# Altium PCB 400366.PcbDoc (continued)
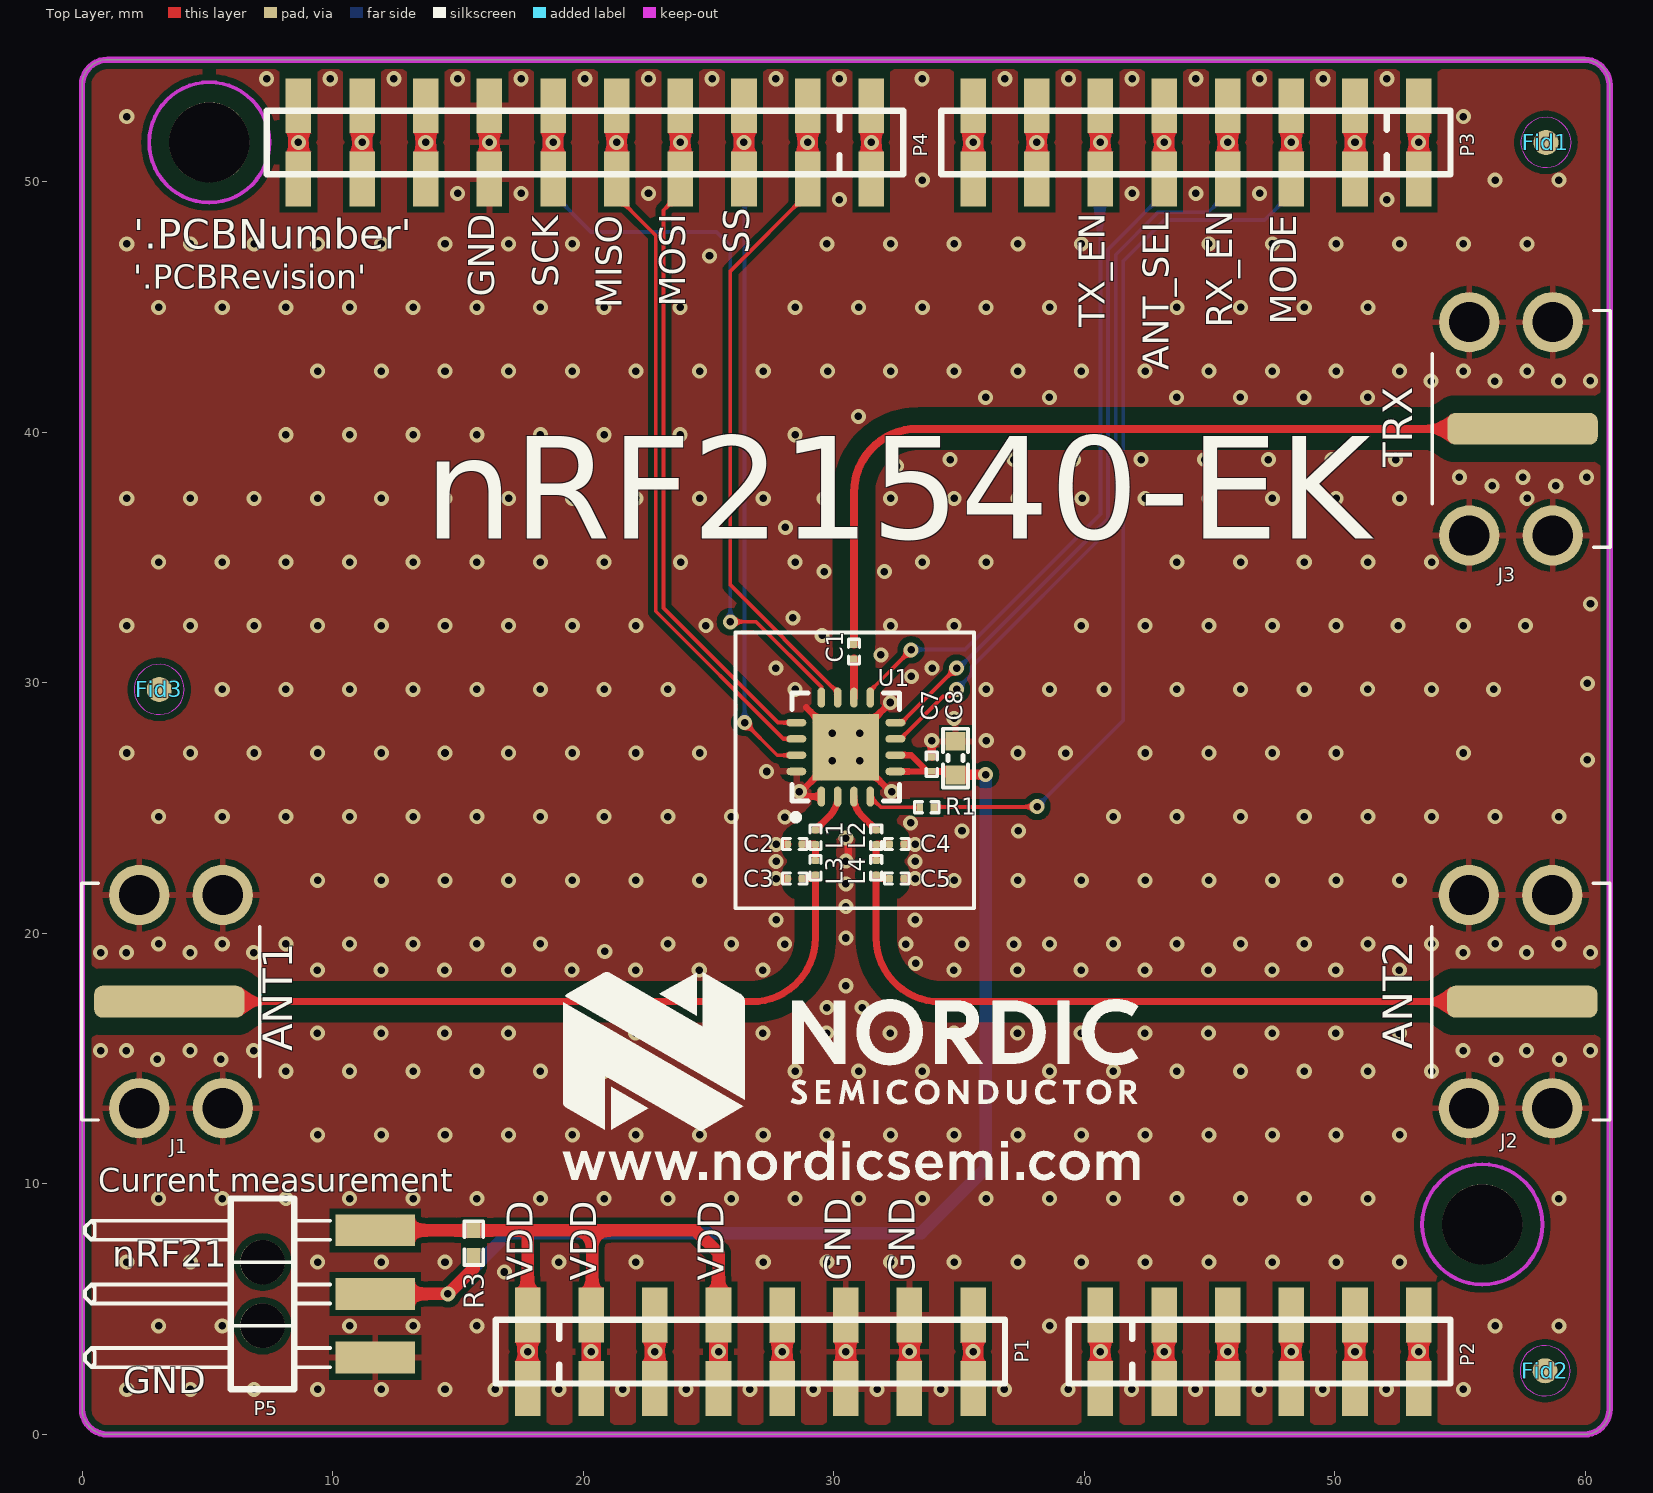
[diagram p0: Top Layer view]
## Components (designator, comment, footprint, x,y, rotation, side; value= is the part's Value field where it differs from the comment)
C1 "1.0pF" CAPC0603X03L_C#1 30.805,31.242 r270 top
C2 "2.0pF" CAPC0603X03L_C#2 28.445,23.557 r0 top
C3 "1.0pF" CAPC0603X03L_C#3 28.445,22.181 r0 top
C4 "2.0pF" CAPC0603X03L_C#2 32.508,23.557 r180 top
C5 "1.0pF" CAPC0603X03L_C#3 32.508,22.181 r180 top
C7 "100nF" CAPC0603X03L_C#1 33.909,26.747 r270 top
C8 "10µF" CAPC1608X06L 34.857,26.989 r270 top
Fid1 "Fiducial mark" Fiducial 58.42,51.562 r0 top value=N.A.
Fid2 "Fiducial mark" Fiducial 58.385,2.54 r0 top value=N.A.
Fid3 "Fiducial mark" Fiducial 3.08,29.733 r270 top value=N.A.
J1 "SMA_2081005-1" SMA_2081005-1 3.95,17.272 r0 top locked
J2 "SMA_2081005-1" SMA_2081005-1 57.007,17.272 r180 top locked
J3 "SMA_2081005-1" SMA_2081005-1 57.025,40.132 r180 top locked
L1 "1.9nH" INDC0603X03L_C 29.266,23.831 r270 top
L2 "1.9nH" INDC0603X03L_C 31.694,23.831 r270 top
L3 "3.0nH" INDC0603X03L_C 29.266,22.615 r270 top
L4 "3.0nH" INDC0603X03L_C 31.694,22.615 r270 top
P1 "Socket 1x8" SOCKET_1x8_SMD 17.78,3.302 r0 top locked
P2 "Socket 1x6" SOCKET_1x6_SMD 40.64,3.302 r0 top locked
P3 "Socket 1x8" SOCKET_1x8_SMD 53.34,51.562 r180 top locked
P4 "Socket 1x10" SOCKET_1x10_SMD 31.496,51.562 r180 top locked
P5 "Pin List 1x3, Angled" LIST_ANG_1x3-SMD-2.54MM 11.7,5.607 r270 top locked
P7 "Pin List 1x8" LIST_1x8_SMD 17.78,3.302 r0 bottom locked
P8 "Pin List 1x6" LIST_1x6_SMD 40.64,3.302 r0 bottom locked
P9 "Pin List 1x8" LIST_1x8_SMD 53.34,51.562 r180 bottom locked
P10 "Pin List 1x10" LIST_1x10_SMD 31.496,51.562 r180 bottom locked
P11 "Socket 2x3" SOCKET_2x3_SMD-2.54mm-bottom 54.737,28.702 r270 top locked
R1 "33k" RESC0603X03L_C 33.715,25.032 r0 top
R3 "0R" RESC1005X04L 15.635,7.632 r90 top
U1 "nRF21540-QDAAG00" QFN65P400X400X65_HS-17N 30.48,27.432 r90 top

## Footprints (in the part's own frame and the unit in brackets; to place one, negate y for a bottom-side part, rotate by r counter-clockwise, add the part's x,y. Pads: shape width x height; smd on the part's side, far side on the other; paste and mask are expansions set on the pad)
CAPC0603X03L_C#1 [mm] "Chip Capacitor, 2-Leads, Body 0.6x0.3mm, IPC High Density"
  rect 0.27x0.3 smd: 1(-0.285,0) 2(0.285,0)
  silkscreen extent -0.49,-0.22 0.49,0.22, body extent -0.3,-0.15 0.31,0.15, height 0.3
CAPC0603X03L_C#2 [mm] "Chip Capacitor, 2-Leads, Body 0.6x0.3mm, IPC High Density"
  rrect50% 0.27x0.3 smd: 1(-0.285,0) 2(0.285,0)
  silkscreen extent -0.49,-0.22 0.49,0.22, body extent -0.3,-0.15 0.31,0.15, height 0.3
CAPC0603X03L_C#3 [mm] "Chip Capacitor, 2-Leads, Body 0.6x0.3mm, IPC High Density"
  rrect50% 0.27x0.3 smd mask+0.05: 1(-0.285,0) 2(0.285,0)
  silkscreen extent -0.49,-0.22 0.49,0.22, body extent -0.3,-0.15 0.31,0.15, height 0.3
CAPC1608X06L [mm] "Chip Capacitor, 2-Leads, Body 1.6x0.8mm, IPC High Density"
  rect 0.75x0.8 smd: 1(-0.675,0) 2(0.675,0)
  silkscreen extent -1.17,-0.5 1.17,0.5, body extent -0.8,-0.43 0.8,0.43, height 0.8
Fiducial [mm] "Fiducial Mark"
  round 1 smd: 0(0,0)
  round 1 smd far side: 0(0,0)
  Top Layer keep-out circle w0.01: c0,0 r1
  Bottom Layer keep-out circle w0.01: c0,0 r1
INDC0603X03L_C [mm] "Chip Inductor, 2-Leads, Body 0.6x0.3mm, IPC High Density"
  rrect50% 0.27x0.3 smd: 1(-0.285,0) 2(0.285,0)
  silkscreen extent -0.49,-0.22 0.49,0.22, body extent -0.31,-0.16 0.31,0.16, height 0.26
LIST_1x6_SMD [mm] "Pin List, 2.54mm, SMD"
  rect 1.02x2.19 smd: 1(0,-1.465) 1(0,1.465) 2(2.54,-1.465) 2(2.54,1.465) 3(5.08,-1.465) 3(5.08,1.465) 4(7.62,-1.465) 4(7.62,1.465) 5(10.16,-1.465) 5(10.16,1.465) 6(12.7,-1.465) 6(12.7,1.465)
  silkscreen extent -1.27,-1.27 13.97,1.27, body extent -1.27,-2.5 13.97,2.5, height 9.82
LIST_1x8_SMD [mm] "Pin List, 2.54mm, SMD"
  rect 1.02x2.19 smd: 1(0,-1.465) 1(0,1.465) 2(2.54,-1.465) 2(2.54,1.465) 3(5.08,-1.465) 3(5.08,1.465) 4(7.62,-1.465) 4(7.62,1.465) 5(10.16,-1.465) 5(10.16,1.465) 6(12.7,-1.465) 6(12.7,1.465) 7(15.24,-1.465) 7(15.24,1.465) 8(17.78,-1.465) 8(17.78,1.465)
  silkscreen extent -1.27,-1.27 19.05,1.27, body extent -1.27,-2.5 19.05,2.5, height 9.82
LIST_1x10_SMD [mm] "Pin List, 2.54mm, SMD"
  rect 1.02x2.19 smd: 1(0,-1.465) 1(0,1.465) 2(2.54,-1.465) 2(2.54,1.465) 3(5.08,-1.465) 3(5.08,1.465) 4(7.62,-1.465) 4(7.62,1.465) 5(10.16,-1.465) 5(10.16,1.465) 6(12.7,-1.465) 6(12.7,1.465) 7(15.24,-1.465) 7(15.24,1.465) 8(17.78,-1.465) 8(17.78,1.465) 9(20.32,-1.465) 9(20.32,1.465) 10(22.86,-1.465) 10(22.86,1.465)
  silkscreen extent -1.27,-1.27 24.13,1.27, body extent -1.27,-2.5 24.13,2.5, height 9.82
LIST_ANG_1x3-SMD-2.54MM [mm] "Pin List, 2.54mm, Surface Mount, Angled"
  round 1.78 hole 1.78 unplated: 0(-1.27,-4.496) 0(1.27,-4.496)
  rect 1.27x3.18 smd: 1(-2.54,0) 2(0,0) 3(2.54,0)
  silkscreen extent -3.81,-11.58 3.81,-1.8, body extent -3.83,-11.61 3.79,1.35, height 3.03
QFN65P400X400X65_HS-17N [mm] "QFN, 16-Leads, Body 4.00x4.00mm, Pitch 0.65mm, Thermal Pad 2.65x2.65mm, IPC Medium Density"
  oval 0.8x0.3 smd: 1(-1.975,0.975) 2(-1.975,0.325) 3(-1.975,-0.325) 4(-1.975,-0.975) 9(1.975,-0.975) 10(1.975,-0.325) 11(1.975,0.325) 12(1.975,0.975)
  oval 0.3x0.8 smd: 5(-0.975,-1.975) 6(-0.325,-1.975) 7(0.325,-1.975) 8(0.975,-1.975) 13(0.975,1.975) 14(0.325,1.975) 15(-0.325,1.975) 16(-0.975,1.975)
  rect 2.65x2.65 smd: 17(0,0)
  silkscreen extent -2.92,-2.15 2.15,2.15, body extent -2,-2 2,2, height 0.65
RESC0603X03L_C [mm] "Chip Resistor, 2-Leads, Body 0.6x0.3mm, IPC High Density"
  rect 0.27x0.3 smd: 1(-0.285,0) 2(0.285,0)
  silkscreen extent -0.49,-0.22 0.49,0.22, body extent -0.3,-0.15 0.3,0.15, height 0.23
RESC1005X04L [mm] "Chip Resistor, 2-Leads, Body 1.0x0.5mm, IPC High Density"
  rect 0.6x0.55 smd: 1(-0.5,0) 2(0.5,0)
  silkscreen extent -0.87,-0.38 0.88,0.38, body extent -0.5,-0.25 0.5,0.25, height 0.3
SMA_2081005-1 [mm] "SMA, Right Angle, Board Edge, TH/SMT mount, 50Ohm"
  round 2.6 on Top Paste: 0(-1.665,-4.255) 0(-1.665,4.255) 0(1.665,-4.255) 0(1.665,4.255)
  rrect50% 6x1.27 smd: 1(-0.465,0)
  round 2.4 hole 1.6: 2(-1.665,-4.255) 2(-1.665,4.255) 2(1.665,-4.255) 2(1.665,4.255)
  silkscreen extent -3.97,-4.72 3.15,4.72, body extent -13.25,-4.72 3.13,4.72, height 6.37
SOCKET_1x6_SMD [mm] "Socket, 2.54mm, SMD"
  rect 1.02x2.19 smd: 1(0,-1.465) 1(0,1.465) 2(2.54,-1.465) 2(2.54,1.465) 3(5.08,-1.465) 3(5.08,1.465) 4(7.62,-1.465) 4(7.62,1.465) 5(10.16,-1.465) 5(10.16,1.465) 6(12.7,1.465) 6(12.7,-1.465)
  silkscreen extent -1.27,-1.27 13.97,1.27, body extent -1.27,-2.29 13.97,2.29, height 7.47
SOCKET_1x8_SMD [mm] "Socket, 2.54mm, SMD"
  rect 1.02x2.19 smd: 1(0,-1.465) 1(0,1.465) 2(2.54,-1.465) 2(2.54,1.465) 3(5.08,-1.465) 3(5.08,1.465) 4(7.62,-1.465) 4(7.62,1.465) 5(10.16,-1.465) 5(10.16,1.465) 6(12.7,1.465) 6(12.7,-1.465) 7(15.24,-1.465) 7(15.24,1.465) 8(17.78,-1.465) 8(17.78,1.465)
  silkscreen extent -1.27,-1.27 19.05,1.27, body extent -1.27,-2.29 19.05,2.29, height 7.47
SOCKET_1x10_SMD [mm] "Socket, 2.54mm, SMD"
  rect 1.02x2.19 smd: 1(0,1.465) 1(0,-1.465) 2(2.54,-1.465) 2(2.54,1.465) 3(5.08,-1.465) 3(5.08,1.465) 4(7.62,-1.465) 4(7.62,1.465) 5(10.16,-1.465) 5(10.16,1.465) 6(12.7,-1.465) 6(12.7,1.465) 7(15.24,-1.465) 7(15.24,1.465) 8(17.78,-1.465) 8(17.78,1.465) 9(20.32,-1.465) 9(20.32,1.465) 10(22.86,-1.465) 10(22.86,1.465)
  silkscreen extent -1.27,-1.27 24.13,1.27, body extent -1.27,-2.29 24.13,2.29, height 7.47
SOCKET_2x3_SMD-2.54mm-bottom [mm] "Socket, 2.54mm, SMD"
  rect 1.02x2.22 smd far side: 1(-2.54,-2.825) 2(-2.54,2.825) 3(0,-2.825) 4(0,2.825) 5(2.54,-2.825) 6(2.54,2.825)
  body extent -3.81,-3.52 3.81,3.52, height 7.47

## Part data
C1: library part C0201-1p0, "Capacitor, C0G, ±0.1pF, 25V", Manufacturer=Murata, Manufacturer Part Number=GJM0335C1E1R0BB01D, Part number IPS=00000007964, Part number NEMS=100200398, Part number Norautron=N.A., Supplier Part Number 1=490-11172-1-ND, Artikkelnr Noca=N.A., Author=rsk, Component Class=Capacitors, Component Status=Active, ComponentLink1Description=Datasheet, ComponentLink1URL=N.A., ComponentLink2Description="Supplier link", ComponentLink2URL=N.A., Footprint Doc=0201, HelpURL=http://search.murata.co.jp/Ceramy/image/img/A01X/G101/ENG/GJM0335C1E1R0BB01-01.pdf, LatestRevisionDate=2020-10-13, Note=±0.1pF, Pad Count=2, Part Number=C0201-1p0, PartId=100200398, Published=2017-09-21, Supplier 1=Digi-Key, Supplier 2=N.A., Supplier Part Number 2=N.A.
C2 C4: library part C0201-2.0p-HQ-Murata, "Capacitor, NP0, ±0.05pF, 25V", Manufacturer=Murata, Manufacturer Part Number=GJM0335C1E2R0WB01, Part number IPS=00000001775, Part number NEMS=100200419, Part number Norautron=N.A., Artikkelnr Noca=N.A., Author=rsk, Component Class=Capacitors, Component Status=Active, ComponentLink1Description=Datasheet, ComponentLink1URL=N.A., ComponentLink2Description="Supplier link", ComponentLink2URL=N.A., Footprint Doc=0201, HelpURL=https://psearch.en.murata.com/capacitor/product/GJM0335C1E2R0WB01%23.html, LatestRevisionDate=2018-10-25, Note=25V, Pad Count=2, Part Number=C0201-2.0p-HQ-Murata, PartId=100200419, Published=2018-10-25, Supplier 1=N.A., Supplier 2=N.A., Supplier Part Number 1=N.A., Supplier Part Number 2=N.A.
C3 C5: library part C0201-1.0p_RF, "RF Chip Cap 0201", Manufacturer=N.A., Part number NEMS=100200085, Artikkelnr Noca=N.A., Author=rsk, Component Class=Capacitors, Component Status=Active, ComponentLink1Description=Datasheet, ComponentLink1URL=N.A., ComponentLink2Description="Supplier link", ComponentLink2URL=N.A., Footprint Doc=0201, HelpURL=N.A., LatestRevisionDate=2016-04-22, Manufacturer Part Number=N.A., Note="High frequency chip capasitors ±5%, NP0", Pad Count=2, Part Number=C0201-1.0p_RF, Part number IPS=N.A., Part number Norautron=N.A., PartId=100200085, Published=2016-04-22, Supplier 1=N.A., Supplier 2=N.A., Supplier Part Number 1=N.A., Supplier Part Number 2=N.A.
C7: library part C0201-100n, "Capacitor, X5R, ±10%", Manufacturer=N.A., Part number IPS="00000001248, 00000002505", Part number NEMS=100200078, Part number Norautron=262071862, Artikkelnr Noca=N.A., Author=rsk, Component Class=Capacitors, Component Status=Active, ComponentLink1Description=Datasheet, ComponentLink1URL=N.A., ComponentLink2Description="Supplier link", ComponentLink2URL=N.A., Footprint Doc=0201, HelpURL=N.A., LatestRevisionDate=2017-11-09, Manufacturer Part Number=N.A., Note=16V, Pad Count=2, Part Number=C0201-100n, PartId=100200078, Published=2014-11-13, Supplier 1=N.A., Supplier 2=N.A., Supplier Part Number 1=N.A., Supplier Part Number 2=N.A.
C8: library part C0603-10µ, "Capacitor, X5R, ±20%", Manufacturer=N.A., Part number IPS=00000007785, Part number NEMS=100200275, Artikkelnr Noca=20039234, Author=rsk, Component Class=Capacitors, Component Status=Active, ComponentLink1Description=Datasheet, ComponentLink1URL=N.A., ComponentLink2Description="Supplier link", ComponentLink2URL=N.A., Footprint Doc=0603, HelpURL=N.A., LatestRevisionDate=2011-01-17, Manufacturer Part Number=N.A., Note=6.3V, Pad Count=2, Part Number=C0603-10µ, Part number Norautron=N.A., PartId=100200275, Published=2011-01-17, Supplier 1=N.A., Supplier 2=N.A., Supplier Part Number 1=N.A., Supplier Part Number 2=N.A.
Fid1 Fid2 Fid3: library part Fid-Mark, "Fiducial Mark", Manufacturer=N.A., Part number NEMS=100500073, Artikkelnr Noca=N.A., Author=rsk, Component Class=Connectors, Component Status=Active, ComponentLink1Description=Datasheet, ComponentLink1URL=N.A., ComponentLink2Description="Supplier link", ComponentLink2URL=N.A., Footprint Doc=Fiducial, HelpURL=N.A., LatestRevisionDate=2009-12-12, Manufacturer Part Number=N.A., Note=N.A., Pad Count=1, Part Number=Fid-Mark, Part number IPS=N.A., Part number Norautron=N.A., PartId=100500073, Published=2009-12-12, Supplier 1=N.A., Supplier 2=N.A., Supplier Part Number 1=N.A., Supplier Part Number 2=N.A.
J1 J2 J3: library part SMA_RA_EDGE_SMT, "SMA, Female, Right Angle, TH/SMT, 50Ohm, Board Edge", Manufacturer=CompuPack, Manufacturer Part Number=ARFRBE22029-GGP, Part number IPS=00000004905, Part number NEMS=100500674, Part number Norautron=N.A., Supplier Part Number 1=C-Q1911001, Artikkelnr Noca=N.A., Author=rsk, Component Class=Connectors, Component Status=Active, ComponentLink1Description=Datasheet, ComponentLink1URL=N.A., ComponentLink2Description="Supplier link", ComponentLink2URL=N.A., Footprint Doc=SMA, HelpURL=N.A., LatestRevisionDate=2020-06-05, Note=N.A., Pad Count=2, Part Number=SMA_RA_EDGE_SMT, PartId=100500674, Published=2020-06-05, Supplier 1=Cabcon, Supplier 2=N.A., Supplier Part Number 2=N.A.
L1 L2: library part L0201-1n9-HQ-Murata, "Inductor, 600mA, ±0.1ｎH, 120mOhm", Manufacturer=Murata, Manufacturer Part Number=LQP03HQ1N9B02, Part number IPS=00000004903, Part number NEMS=100300206, Part number Norautron=N.A., Supplier Part Number 1=490-13889-1-ND, Artikkelnr Noca=N.A., Author=rsk, Component Class=Inductors, Component Status=Active, ComponentLink1Description=Datasheet, ComponentLink1URL=https://search.murata.co.jp/Ceramy/image/img/P02/JELF243C-0021.pdf, ComponentLink2Description="Supplier link", ComponentLink2URL=N.A., Footprint Doc=0201, HelpURL=https://psearch.en.murata.com/inductor/product/LQP03HQ1N9B02%23.html, LatestRevisionDate=2018-10-23, Note="-55°C ~ 125°C", Pad Count=2, Part Number=L0201-1n9-HQ-Murata, PartId=100300206, Published=2018-10-23, Supplier 1=Digi-Key, Supplier 2=N.A., Supplier Part Number 2=N.A.
L3 L4: library part L0201-3n0-HQ-Murata, "Inductor, 600mA, ±0.1ｎH, 120mOhm", Manufacturer=Murata, Manufacturer Part Number=LQP03HQ3N0B02, Part number IPS=N.A., Part number NEMS=100300217, Supplier Part Number 1=490-13915-1-ND, Artikkelnr Noca=N.A., Author=rsk, Component Class=Inductors, Component Status=Active, ComponentLink1Description=Datasheet, ComponentLink1URL=https://search.murata.co.jp/Ceramy/image/img/P02/JELF243C-0021.pdf, ComponentLink2Description="Supplier link", ComponentLink2URL=N.A., Footprint Doc=0201, HelpURL=https://psearch.en.murata.com/inductor/product/LQP03HQ3N0B02%23.html, LatestRevisionDate=2018-10-23, Note="-55°C ~ 125°C", Pad Count=2, Part Number=L0201-3n0-HQ-Murata, Part number Norautron=N.A., PartId=100300217, Published=2018-10-23, Supplier 1=Digi-Key, Supplier 2=N.A., Supplier Part Number 2=N.A.
P1 P3: library part "Socket 1x8 SMD", "Socket 1x8, 2.54mm (100mil), SMD", Manufacturer=W-CON, Manufacturer Part Number=2171-108MS0CUNR1, Part number IPS=00000009963, Part number NEMS=100500412, Part number Norautron=26032369, Artikkelnr Noca=55030002, Author=rsk, Component Class=Connectors, Component Status=Active, ComponentLink1Description=Datasheet, ComponentLink1URL=N.A., ComponentLink2Description="Supplier link", ComponentLink2URL=N.A., Footprint Doc=SOCKET_1x8_SMD, HelpURL=N.A., LatestRevisionDate=2017-10-23, Note=N.A., Pad Count=8, Part Number="Socket 1x8 SMD", PartId=100500412, Published=2016-01-22, Supplier 1=Cabcon, Supplier 2=Samtec, Supplier Part Number 1=2171-108MS0CUNR1, Supplier Part Number 2=SSM-108-F-SV-P-TR
P2: library part "Socket 1x6 SMD", "Socket 1x6, 2.54mm (100mil), SMD", Manufacturer=W-CON, Manufacturer Part Number=2171-106MS0CUNR1, Part number IPS=00000009964, Part number NEMS=100500408, Part number Norautron=26032370, Artikkelnr Noca=55030001, Author=rsk, Component Class=Connectors, Component Status=Active, ComponentLink1Description=Datasheet, ComponentLink1URL=N.A., ComponentLink2Description="Supplier link", ComponentLink2URL=N.A., Footprint Doc=SOCKET_1x6_SMD, HelpURL=N.A., LatestRevisionDate=2017-10-23, Note=N.A., Pad Count=6, Part Number="Socket 1x6 SMD", PartId=100500408, Published=2016-01-22, Supplier 1=Cabcon, Supplier 2=Samtec, Supplier Part Number 1=2171-106MS0CUNR1, Supplier Part Number 2=SSM-106-F-SV-P-TR
P4: library part "Socket 1x10 SMD", "Socket 1x10, 2.54mm (100mil), SMD", Manufacturer=W-CON, Manufacturer Part Number=2171-110MS0CUNR1, Part number IPS=00000009965, Part number NEMS=100500416, Part number Norautron=26032371, Artikkelnr Noca=55030004, Author=rsk, Component Class=Connectors, Component Status=Active, ComponentLink1Description=Datasheet, ComponentLink1URL=N.A., ComponentLink2Description="Supplier link", ComponentLink2URL=N.A., Footprint Doc=SOCKET_1x10_SMD, HelpURL=N.A., LatestRevisionDate=2016-01-22, Note=N.A., Pad Count=10, Part Number="Socket 1x10 SMD", PartId=100500416, Published=2016-01-22, Supplier 1=Cabcon, Supplier 2=Samtec, Supplier Part Number 1=2171-110MS0CUNR1, Supplier Part Number 2=SSM-110-F-SV-P-TR
P5: library part "Pin List Ang 1x3 SMD, 2.54mm", "Pin List 1x3, 2.54mm (100mil), Right Angled, SMD", Manufacturer=W-CON, Manufacturer Part Number=1125B-1103S0Z135R2, Part number IPS=00000009971, Part number NEMS=100500356, Part number Norautron=N.A., Artikkelnr Noca=55010027, Author=rsk, Component Class=Connectors, Component Status=Active, ComponentLink1Description=Datasheet, ComponentLink1URL=N.A., ComponentLink2Description="Supplier link", ComponentLink2URL=N.A., Footprint Doc=LIST_ANG_1x3-SMD-2.54MM, HelpURL=N.A., LatestRevisionDate=2016-05-26, Note=N.A., Pad Count=3, Part Number="Pin List Ang 1x3 SMD, 2.54mm", PartId=100500356, Published=2015-01-23, Supplier 1=Cabcon, Supplier 2=Samtec, Supplier Part Number 1=1125B-1103S0Z135R2, Supplier Part Number 2=TSM-103-01-L-SH-A
P7 P9: library part "Pin List 1x8 SMD", "Pin List 1x8, 2.54mm (100mil), SMD", Manufacturer=W-CON, Manufacturer Part Number=1125-1108S0M116R2, Part number IPS=00000001701, Part number NEMS=100500329, Part number Norautron=N.A., Artikkelnr Noca=55010006, Author=rsk, Component Class=Connectors, Component Status=Active, ComponentLink1Description=Datasheet, ComponentLink1URL=N.A., ComponentLink2Description="Supplier link", ComponentLink2URL=N.A., Footprint Doc=LIST_1x8_SMD, HelpURL=\\hizz\pro\app9717\Datasheet\connectors\W-CON\1125-11XXXXMXXXXX.pdf, LatestRevisionDate=2016-01-22, Note=N.A., Pad Count=8, Part Number="Pin List 1x8 SMD", PartId=100500329, Published=2016-01-22, Supplier 1=Cabcon, Supplier 2=Samtec, Supplier Part Number 1=1125-1108S0M116R2, Supplier Part Number 2=TSM-108-01-L-SV-P-TR
P8: library part "Pin List 1x6 SMD", "Pin List 1x6, 2.54mm (100mil), SMD", Manufacturer=W-CON, Manufacturer Part Number=1125-1106S0M116R2, Part number IPS=N.A., Part number NEMS=100500320, Artikkelnr Noca=55010026, Author=rsk, Component Class=Connectors, Component Status=Active, ComponentLink1Description=Datasheet, ComponentLink1URL=N.A., ComponentLink2Description="Supplier link", ComponentLink2URL=N.A., Footprint Doc=LIST_1x6_SMD, HelpURL=\\hizz\pro\app9717\Datasheet\connectors\W-CON\1125-11XXXXMXXXXX.pdf, LatestRevisionDate=2016-03-29, Note=N.A., Pad Count=6, Part Number="Pin List 1x6 SMD", Part number Norautron=N.A., PartId=100500320, Published=2016-03-29, Supplier 1=Cabcon, Supplier 2=Samtec, Supplier Part Number 1=1125-1106S0M116R2, Supplier Part Number 2=TSM-106-01-L-SV-P-TR
P10: library part "Pin List 1x10 SMD", "Pin List 1x10, 2.54mm (100mil), SMD", Manufacturer=W-CON, Manufacturer Part Number=1125-1110S0M116R2, Part number IPS=00000004906, Part number NEMS=100500337, Part number Norautron=N.A., Artikkelnr Noca=55010028, Author=rsk, Component Class=Connectors, Component Status=Active, ComponentLink1Description=Datasheet, ComponentLink1URL=N.A., ComponentLink2Description="Supplier link", ComponentLink2URL=N.A., Footprint Doc=LIST_1x10_SMD, HelpURL=\\hizz\pro\app9717\Datasheet\connectors\W-CON\1125-11XXXXMXXXXX.pdf, LatestRevisionDate=2016-03-29, Note=N.A., Pad Count=10, Part Number="Pin List 1x10 SMD", PartId=100500337, Published=2016-03-29, Supplier 1=Cabcon, Supplier 2=Samtec, Supplier Part Number 1=1125-1110S0M116R2, Supplier Part Number 2=TSM-110-01-L-SV-P-TR
P11: library part "Socket 2x3 SMD Bottom", "Socket 2x3, 2.54mm (100mil), SMD", Manufacturer=W-CON, Manufacturer Part Number=2171-203MS0CUNR1, Part number IPS=00000004907, Part number NEMS=100500433, Part number Norautron=N.A., Artikkelnr Noca=55030010, Author=rsk, Component Class=Connectors, Component Status=Active, ComponentLink1Description=Datasheet, ComponentLink1URL=N.A., ComponentLink2Description="Supplier link", ComponentLink2URL=N.A., Footprint Doc=SOCKET_2x3_SMD-2.54mm-bottom, HelpURL=\\hizz\pro\app9717\Datasheet\connectors\W-CON\2171-2XXMXXCUNXX.pdf, LatestRevisionDate=2016-03-29, Note=N.A., Pad Count=6, Part Number="Socket 2x3 SMD Bottom", PartId=100500433, Published=2014-06-10, Supplier 1=Cabcon, Supplier 2=Samtec, Supplier Part Number 1=2171-203MS0CUNR1, Supplier Part Number 2=SSM-103-F-DV-P-TR
R1: library part R0201-33k, "Resistor, ±1%, 0.05W", Manufacturer=N.A., Part number IPS=00000001708, Part number NEMS=100100073, Artikkelnr Noca=N.A., Author=rsk, Component Class=Resistors, Component Status=Active, ComponentLink1Description=Datasheet, ComponentLink1URL=N.A., ComponentLink2Description="Supplier link", ComponentLink2URL=N.A., Footprint Doc=0201, HelpURL=N.A., LatestRevisionDate=2014-11-13, Manufacturer Part Number=N.A., Note="Chip Res 1%", Pad Count=2, Part Number=R0201-33k, Part number Norautron=N.A., PartId=100100073, Published=2014-11-13, Supplier 1=N.A., Supplier 2=N.A., Supplier Part Number 1=N.A., Supplier Part Number 2=N.A.
R3: library part R0402-0R, "Resistor, ±5%, 0.063W", Manufacturer=N.A., Part number IPS=00000007128, Part number NEMS=100100109, Supplier Part Number 1=146-9661, Artikkelnr Noca=27049000, Author=rsk, Component Class=Resistors, Component Status=Active, ComponentLink1Description=Datasheet, ComponentLink1URL=N.A., ComponentLink2Description="Supplier link", ComponentLink2URL=N.A., Footprint Doc=0402, HelpURL=N.A., LatestRevisionDate=2009-11-23, Manufacturer Part Number=N.A., Note="Chip Res 5%", Pad Count=2, Part Number=R0402-0R, Part number Norautron=N.A., PartId=100100109, Published=2009-05-08, Supplier 1=Farnell, Supplier 2=N.A., Supplier Part Number 2=N.A.
U1: library part nRF21540-QDAAG0, "Radio front-end / range extender for 2.4GHz", Manufacturer="Nordic Semiconductor", Part number IPS=N.A., Part number NEMS=102000223, Artikkelnr Noca=N.A., Author=hany, Component Class=nRF_Devices, Component Status=Active, ComponentLink1Description=Datasheet, ComponentLink1URL=N.A., ComponentLink2Description="Supplier link", ComponentLink2URL=N.A., Footprint Doc=QFN-16, HelpURL=N.A., LatestRevisionDate=2021-03-24, Manufacturer Part Number=nRF21540-QDAAG00, Note=N.A., Pad Count=16, Part Number=nRF21540-QDAAG0, Part number Norautron=N.A., PartId=102000223, Published=2021-03-24, Supplier 1="Nordic Semiconductor", Supplier 2=N.A., Supplier Part Number 1=nRF21540-QDAAG00, Supplier Part Number 2=N.A.

## Free pads (board coordinates)
  round 3.2 hole 3.2 unplated: 1(5.08,51.562) 1(55.88,8.382)

## Via types
v1: diameter 0.6, hole 0.3, Top Layer to Bottom Layer, tented both sides, 514 vias

## Nets (pads, with @x,y where several pads share a name; then routed paths per layer and width w, separated by ;. In a path a pad name is that pad's centre, name@x,y a point inside that pad or via, vN(x,y) a via of type N, cw(c..) or ccw(c..) an arc to the next point about the centre after c; other vN are vias at no path point)
A0: P2.1 P8.1 | length 5.9
  Top Layer w0.762: P2.1@40.64,1.837 P2.1@40.64,4.767
  Bottom Layer w0.762: P8.1@40.64,1.837 v1(40.64,3.302) P8.1@40.64,4.767
A1: P2.2 P8.2 | length 5.9
  Top Layer w0.762: P2.2@43.18,1.837 P2.2@43.18,4.767
  Bottom Layer w0.762: P8.2@43.18,1.837 v1(43.18,3.302) P8.2@43.18,4.767
A2: P2.3 P8.3 | length 5.9
  Top Layer w0.762: P2.3@45.72,1.837 P2.3@45.72,4.767
  Bottom Layer w0.762: P8.3@45.72,1.837 v1(45.72,3.302) P8.3@45.72,4.767
A3: P2.4 P8.4 | length 5.9
  Top Layer w0.762: P2.4@48.26,1.837 P2.4@48.26,4.767
  Bottom Layer w0.762: P8.4@48.26,1.837 v1(48.26,3.302) P8.4@48.26,4.767
A4: P2.5 P8.5 | length 5.9
  Top Layer w0.762: P2.5@50.8,1.837 P2.5@50.8,4.767
  Bottom Layer w0.762: P8.5@50.8,1.837 v1(50.8,3.302) P8.5@50.8,4.767
A5: P2.6 P8.6 | length 5.9
  Top Layer w0.762: P2.6@53.34,1.837 P2.6@53.34,4.767
  Bottom Layer w0.762: P8.6@53.34,1.837 v1(53.34,3.302) P8.6@53.34,4.767
ANT1: L1.1 U1.2 | length 1.7
  Top Layer w0.279: L1.1 29.835,24.685 ccw(c29.063,25.457) U1.2
ANT2: L2.1 U1.3 | length 1.7
  Top Layer w0.279: U1.3 ccw(c31.896,25.457) 31.125,24.685 L2.1
ANT_SEL: P3.5 P9.5 U1.8 | length 32.2
  Top Layer w0.152: U1.8 32.705,28.407 34.88,30.582 v1(34.901,30.582)
  Top Layer w0.762: P3.5@43.18,50.097 P3.5@43.18,53.027
  Bottom Layer w0.152: v1(34.901,30.582) 34.991,30.582 40.945,36.536 40.945,47.295 43.18,49.53 P9.5@43.18,50.097
  Bottom Layer w0.762: P9.5@43.18,50.097 P9.5@43.18,53.027
  other v1: 43.18,51.562
AREF: P4.8 P10.8 | length 5.9
  Top Layer w0.762: P4.8@13.716,50.097 P4.8@13.716,53.027
  Bottom Layer w0.762: P10.8@13.716,50.097 P10.8@13.716,53.027
  other v1: 13.716,51.562
"D0 (RX)": P3.1 P9.1 | length 5.9
  Top Layer w0.762: P3.1@53.34,50.097 P3.1@53.34,53.027
  Bottom Layer w0.762: P9.1@53.34,50.097 P9.1@53.34,53.027
  other v1: 53.34,51.562
"D1 (TX)": P3.2 P9.2 | length 5.9
  Top Layer w0.762: P3.2@50.8,50.097 P3.2@50.8,53.027
  Bottom Layer w0.762: P9.2@50.8,50.097 P9.2@50.8,53.027
  other v1: 50.8,51.562
D6: P3.7 P9.7 | length 5.9
  Top Layer w0.762: P3.7@38.1,50.097 P3.7@38.1,53.027
  Bottom Layer w0.762: P9.7@38.1,50.097 P9.7@38.1,53.027
  other v1: 38.1,51.562
D7: P3.8 P9.8 | length 6.4
  Top Layer w0.762: P3.8@35.56,50.097 P3.8@35.56,53.027
  Bottom Layer w0.152: P9.8@35.56,49.53 P9.8@35.56,50.097
  Bottom Layer w0.762: P9.8@35.56,50.097 P9.8@35.56,53.027
  other v1: 35.56,51.562
D8: P4.1 P10.1 | length 5.9
  Top Layer w0.762: P4.1@31.496,50.097 P4.1@31.496,53.027
  Bottom Layer w0.762: P10.1@31.496,50.097 P10.1@31.496,53.027
  other v1: 31.496,51.562
"D10 (SS)": P4.3 P10.3 U1.15 | length 30.1
  Top Layer w0.152: v1(26.441,28.411) 27.746,27.107 U1.15
  Top Layer w0.762: P4.3@26.416,50.097 P4.3@26.416,53.027
  Bottom Layer w0.152: v1(26.441,28.411) P10.3@26.441,50.072
  Bottom Layer w0.762: P10.3@26.416,50.097 P10.3@26.416,53.027
  other v1: 26.416,51.562
"D11 (MOSI)": P4.4 P10.4 U1.13 | length 29.9
  Top Layer w0.152: P4.4@23.876,49.53 23.203,48.857 23.203,32.981 27.776,28.407 U1.13
  Top Layer w0.762: P4.4@23.876,50.097 P4.4@23.876,53.027
  Bottom Layer w0.762: P10.4@23.876,50.097 P10.4@23.876,53.027
  other v1: 23.876,51.562
"D12 (MISO)": P4.5 P10.5 U1.14 | length 30.8
  Top Layer w0.152: P4.5@21.336,49.408 22.898,47.847 22.898,32.854 27.995,27.757 U1.14
  Top Layer w0.762: P4.5@21.336,50.097 P4.5@21.336,53.027
  Bottom Layer w0.762: P10.5@21.336,50.097 P10.5@21.336,53.027
  other v1: 21.336,51.562
"D13 (SCK)": P4.6 P10.6 U1.12 | length 34
  Top Layer w0.152: v1(25.872,32.432) 26.902,32.432 29.505,29.829 U1.12
  Top Layer w0.762: P4.6@18.796,50.097 P4.6@18.796,53.027
  Bottom Layer w0.152: P10.6@18.796,49.53 18.796,49.512 20.317,47.991 25.315,47.991 25.872,47.434 v1(25.872,32.432)
  Bottom Layer w0.762: P10.6@18.796,50.097 P10.6@18.796,53.027
  other v1: 18.796,51.562
GND: C2.1 C3.1 C4.1 C5.1 C7.1 C8.1 J1.2 J2.2 J3.2 P1.6 P1.7 P4.7 P5.3 P7.6 P7.7 P10.7 P11.6 U1.1 U1.16 U1.17 | length 27.4
  Top Layer w0.254: v1@28.823,25.457 U1.1 ; 28.894,25.846 v1(29.93,26.882) ; 28.894,29.018 v1(29.93,27.982) ; U1.17 v1(31.03,27.982) v1@32.066,29.018 ; v1(31.03,26.882) 32.066,25.846
  Top Layer w0.3: v1(27.7,23.55) 27.707,23.557 C2.1 ; v1@27.707,22.181 C3.1 ; C5.1 v1@33.247,22.181 ; C4.1 v1@33.247,23.557 ; C7.1 v1(33.909,27.686)
  Top Layer w0.762: P4.7@16.256,50.097 P4.7@16.256,53.027 ; P1.6@30.48,1.837 P1.6@30.48,4.767 ; P1.7@33.02,1.837 P1.7@33.02,4.767
  Bottom Layer w0.762: P10.7@16.256,50.097 P10.7@16.256,53.027 ; P7.6@30.48,1.837 v1(30.48,3.302) P7.6@30.48,4.767 ; P7.7@33.02,1.837 v1(33.02,3.302) P7.7@33.02,4.767
  other v1: 1.785,1.795 4.325,1.795 6.865,1.795 9.405,1.795 11.945,1.795 14.485,1.795 16.49,1.8 19.03,1.8 21.57,1.8 24.11,1.8 26.65,1.8 29.19,1.8 31.73,1.8 34.27,1.8 36.81,1.8 39.35,1.8 41.89,1.8 44.43,1.8 46.97,1.8 49.51,1.8 52.05,1.8 55.125,1.795 3.055,4.335 5.595,4.335 10.675,4.335 13.215,4.335 15.755,4.335 38.615,4.335 56.395,4.335 58.935,4.335 16.857,6.483 1.785,6.875 4.325,6.875 9.405,6.875 11.945,6.875 14.485,6.875 19.03,6.875 22.105,6.875 27.185,6.875 29.725,6.875 32.265,6.875 34.805,6.875 37.345,6.875 39.885,6.875 42.425,6.875 44.965,6.875 47.505,6.875 50.045,6.875 52.585,6.875 3.055,9.415 5.595,9.415 8.135,9.415 10.675,9.415 13.215,9.415 15.755,9.415 18.295,9.415 20.835,9.415 23.375,9.415 25.915,9.415 28.455,9.415 30.995,9.415 33.535,9.415 36.075,9.415 38.615,9.415 41.155,9.415 43.695,9.415 46.235,9.415 48.775,9.415 51.315,9.415 58.935,9.415 9.405,11.955 11.945,11.955 14.485,11.955 17.025,11.955 19.565,11.955 22.105,11.955 24.645,11.955 27.185,11.955 29.725,11.955 32.265,11.955 34.805,11.955 37.345,11.955 39.885,11.955 42.425,11.955 44.965,11.955 47.505,11.955 50.045,11.955 52.585,11.955 8.135,14.495 10.675,14.495 13.215,14.495 15.755,14.495 18.295,14.495 20.835,14.495 23.375,14.495 25.915,14.495 28.455,14.495 30.995,14.495 33.535,14.495 38.615,14.495 41.155,14.495 43.695,14.495 46.235,14.495 48.775,14.495 51.315,14.495 53.855,14.495 3.003,14.97 5.543,14.97 56.42,14.97 58.96,14.97 0.738,15.314 1.772,15.314 4.312,15.314 6.852,15.314 55.112,15.314 57.652,15.314 60.192,15.314 9.392,16.014 11.932,16.014 14.472,16.014 17.012,16.014 19.552,16.014 22.092,16.014 24.632,16.014 27.172,16.014 29.712,16.014 32.252,16.014 34.792,16.014 37.332,16.014 39.872,16.014 42.412,16.014 44.952,16.014 47.492,16.014 50.032,16.014 52.572,16.014 29.725,17.035 31.136,17.033 30.48,17.907 9.392,18.529 11.932,18.529 14.472,18.529 17.012,18.529 19.552,18.529 22.092,18.529 24.632,18.529 27.172,18.529 34.792,18.529 37.332,18.529 39.872,18.529 42.412,18.529 44.952,18.529 47.492,18.529 50.032,18.529 52.572,18.529 33.261,18.799 0.738,19.229 1.772,19.229 4.312,19.229 6.852,19.229 55.112,19.229 57.652,19.229 60.192,19.229 20.86,19.28 3.055,19.575 5.595,19.575 8.135,19.575 10.675,19.575 13.215,19.575 15.755,19.575 18.295,19.575 23.375,19.575 25.915,19.575 28.041,19.572 32.88,19.572 35.117,19.572 37.184,19.572 38.615,19.575 41.155,19.575 43.695,19.575 46.235,19.575 48.775,19.575 51.315,19.575 53.855,19.575 56.395,19.575 58.935,19.575 30.48,19.812 27.7,20.532 33.243,20.532 30.48,21.06 30.48,21.971 9.405,22.115 11.945,22.115 14.485,22.115 17.025,22.115 19.565,22.115 22.105,22.115 24.645,22.115 34.805,22.115 37.345,22.115 39.885,22.115 42.425,22.115 44.965,22.115 47.505,22.115 50.045,22.115 52.585,22.115 27.7,22.181 33.243,22.181 27.7,22.866 30.48,22.882 33.243,22.866 33.243,23.55 30.48,23.802 35.117,24.09 37.37,24.09 33.068,24.407 28.05,24.632 3.055,24.655 5.595,24.655 8.135,24.655 10.675,24.655 13.215,24.655 15.755,24.655 18.295,24.655 20.835,24.655 23.375,24.655 25.915,24.655 41.155,24.655 43.695,24.655 46.235,24.655 48.775,24.655 51.315,24.655 53.855,24.655 56.395,24.655 58.935,24.655 28.626,25.654 32.309,25.654 27.317,26.457 60.071,26.924 1.785,27.195 4.325,27.195 6.865,27.195 9.405,27.195 11.945,27.195 14.485,27.195 17.025,27.195 19.565,27.195 22.105,27.195 24.645,27.195 37.345,27.195 39.252,27.194 42.425,27.195 44.965,27.195 47.505,27.195 50.045,27.195 55.125,27.195 36.085,27.692 34.798,28.575 32.258,29.21 5.595,29.735 8.135,29.735 10.675,29.735 13.215,29.735 15.755,29.735 18.295,29.735 20.835,29.735 23.375,29.735 28.455,29.735 36.075,29.735 38.615,29.735 40.792,29.734 43.695,29.735 46.235,29.735 48.775,29.735 53.855,29.735 56.328,29.734 51.302,29.743 60.071,29.972 33.096,30.251 27.686,30.582 33.927,30.582 31.877,31.115 29.534,31.889 1.785,32.275 4.325,32.275 6.865,32.275 9.405,32.275 11.945,32.275 14.485,32.275 17.025,32.275 19.565,32.275 22.105,32.275 24.895,32.275 32.265,32.275 34.805,32.275 39.885,32.275 42.425,32.275 44.965,32.275 47.505,32.275 50.045,32.275 52.518,32.274 55.125,32.275 57.598,32.274 28.372,32.588 60.198,33.147 29.61,34.429 32.023,34.429 3.055,34.815 5.595,34.815 8.135,34.815 10.675,34.815 13.215,34.815 15.755,34.815 18.295,34.815 20.835,34.815 23.89,34.807 28.455,34.815 33.535,34.815 36.075,34.815 43.695,34.815 46.235,34.815 48.775,34.815 51.315,34.815 53.855,34.815 28.067,36.195 1.785,37.355 4.325,37.355 6.865,37.355 9.405,37.355 11.945,37.355 14.485,37.355 17.025,37.355 19.565,37.355 22.105,37.355 24.645,37.355 27.185,37.355 29.615,37.35 32.265,37.355 34.805,37.355 37.345,37.355 39.91,37.353 42.425,37.355 44.965,37.355 47.505,37.355 50.045,37.355 52.585,37.355 57.665,37.355 56.272,37.855 58.812,37.855 54.964,38.199 57.504,38.199 60.044,38.199 32.506,38.645 34.644,38.899 37.184,38.899 39.574,38.899 42.264,38.899 44.804,38.899 47.344,38.899 49.884,38.899 52.424,38.899 8.135,39.895 10.675,39.895 13.215,39.895 15.755,39.895 18.295,39.895 20.835,39.895 23.865,39.895 28.455,39.895 30.982,40.627 36.062,41.389 38.602,41.389 43.682,41.389 46.222,41.389 48.762,41.389 51.302,41.389 53.842,42.039 56.382,42.039 58.922,42.039 60.192,42.049 9.405,42.435 11.945,42.435 14.485,42.435 17.025,42.435 19.565,42.435 22.105,42.435 24.645,42.435 27.185,42.435 29.75,42.435 32.265,42.435 34.805,42.435 37.345,42.435 39.885,42.435 42.425,42.435 44.965,42.435 47.505,42.435 50.045,42.435 52.585,42.435 55.125,42.435 57.665,42.435 3.055,44.975 5.595,44.975 8.135,44.975 10.675,44.975 13.215,44.975 15.755,44.975 18.295,44.975 20.835,44.975 23.865,44.975 28.455,44.975 30.995,44.975 33.535,44.975 36.075,44.975 38.615,44.975 43.695,44.975 46.235,44.975 48.775,44.975 51.315,44.975 25.04,47.032 1.785,47.515 4.325,47.515 6.865,47.515 9.405,47.515 11.945,47.515 14.485,47.515 17.025,47.515 19.565,47.515 29.725,47.515 32.265,47.515 34.805,47.515 37.345,47.515 39.885,47.515 44.965,47.515 47.505,47.515 50.045,47.515 52.585,47.515 55.125,47.515 57.665,47.515 30.226,49.276 52.07,49.276 14.986,49.53 17.526,49.53 22.606,49.53 41.91,49.53 44.45,49.53 46.99,49.53 33.535,50.055 56.395,50.055 58.935,50.055 16.256,51.562 1.785,52.595 55.125,52.595 7.366,54.102 9.906,54.102 12.446,54.102 14.986,54.102 17.526,54.102 20.066,54.102 22.606,54.102 25.146,54.102 27.686,54.102 30.226,54.102 33.528,54.102 36.83,54.102 39.37,54.102 41.91,54.102 44.45,54.102 46.99,54.102 49.53,54.102 52.07,54.102
MODE: P3.3 P9.3 R1.2 | length 41.6
  Top Layer w0.152: R1.2 34.012,25.045 38.1,25.045 v1(38.113,25.057)
  Top Layer w0.762: P3.3@48.26,50.097 P3.3@48.26,53.027
  Bottom Layer w0.152: v1(38.113,25.057) 41.554,28.499 41.554,46.831 43.192,48.469 47.199,48.469 48.26,49.53 P9.3@48.26,50.097
  Bottom Layer w0.762: P9.3@48.26,50.097 P9.3@48.26,53.027
  other v1: 48.26,51.562
NetC2_2: C2.2 L1.2 L3.1 | length 1.2
  Top Layer w0.279: C2.2 29.255,23.557 L1.2 L3.1@29.266,22.919
NetC4_2: C4.2 L2.2 L4.1 | length 1.2
  Top Layer w0.279: L4.1@31.694,22.919 L2.2 31.705,23.557 C4.2 C4.2@32.23,23.557
NetP1_5: P1.5 P7.5 | length 5.9
  Top Layer w0.762: P1.5@27.94,1.837 P1.5@27.94,4.767
  Bottom Layer w0.762: P7.5@27.94,1.837 v1(27.94,3.302) P7.5@27.94,4.767
NetP1_8: P1.8 P7.8 | length 5.9
  Top Layer w0.762: P1.8@35.56,1.71 P1.8@35.56,4.64
  Bottom Layer w0.762: P7.8@35.56,1.837 v1(35.56,3.302) P7.8@35.56,4.767
NetR1_1: R1.1 U1.4 | length 2.2
  Top Layer w0.152: U1.4 31.88,25.032 R1.1
PDN: P4.2 P10.2 U1.11 | length 29.6
  Top Layer w0.152: P4.2@28.956,50.097 28.956,49.512 25.872,46.428 25.872,33.894 30.155,29.61 U1.11
  Top Layer w0.762: P4.2@28.956,50.097 P4.2@28.956,53.027
  Bottom Layer w0.762: P10.2@28.956,50.097 P10.2@28.956,53.027
  other v1: 28.956,51.562
RESET: P1.3 P7.3 | length 5.9
  Top Layer w0.762: P1.3@22.86,1.837 P1.3@22.86,4.767
  Bottom Layer w0.762: P7.3@22.86,1.837 v1(22.86,3.302) P7.3@22.86,4.767
RF_I: C1.1 J3.1 | length 35.6
  Top Layer w0.32: C1.1 30.805,37.592 cw(c33.345,37.592) 33.345,40.132 39.28,40.132 J3.1 J3.1@58.928,40.132
RF_O1: C3.2 J1.1 L3.2 | length 30.3
  Top Layer w0.279: J1.1 26.726,17.272 ccw(c26.726,19.812) 29.266,19.812 29.266,22.181 ; C3.2 29.266,22.181 ; L3.2 29.266,22.181
RF_O2: C5.2 J2.1 L4.2 | length 31.7
  Top Layer w0.279: L4.2 31.694,22.181 ; C5.2 31.694,22.181 ; J2.1@58.928,17.272 J2.1 34.234,17.272 cw(c34.234,19.812) 31.694,19.812 31.694,22.181
RX_EN: P3.4 P9.4 U1.7 | length 34.7
  Top Layer w0.152: U1.7 32.658,27.757 34.354,29.453 34.621,29.453 v1(34.901,29.733)
  Top Layer w0.762: P3.4@45.72,50.097 P3.4@45.72,53.027
  Bottom Layer w0.152: v1(34.901,29.733) 35.492,30.324 35.492,30.628 41.25,36.386 41.25,47.082 42.941,48.773 44.941,48.773 45.44,49.272 P9.4@45.44,49.766
  Bottom Layer w0.762: P9.4@45.72,50.097 P9.4@45.72,53.027
  other v1: 45.72,51.562
SCL: P4.10 P10.10 | length 5.9
  Top Layer w0.762: P4.10@8.636,50.097 P4.10@8.636,53.027
  Bottom Layer w0.762: P10.10@8.636,50.097 P10.10@8.636,53.027
  other v1: 8.636,51.562
SDA: P4.9 P10.9 | length 5.9
  Top Layer w0.762: P4.9@11.176,50.097 P4.9@11.176,53.027
  Bottom Layer w0.762: P10.9@11.176,50.097 P10.9@11.176,53.027
  other v1: 11.176,51.562
TRX: C1.2 U1.10 | length 1.5
  Top Layer w0.32: U1.10 C1.2
TX_EN: P3.6 P9.6 U1.9 | length 31.6
  Top Layer w0.152: U1.9 31.455,29.677 v1(33.088,31.31)
  Top Layer w0.762: P3.6@40.64,50.097 P3.6@40.64,53.027
  Bottom Layer w0.152: v1(33.088,31.31) 33.102,31.324 35.233,31.324 40.64,36.731 P9.6@40.64,50.097
  Bottom Layer w0.762: P9.6@40.64,50.097 P9.6@40.64,53.027
  other v1: 40.64,51.562
VDD: P1.1 P1.2 P1.4 P5.1 P7.1 P7.2 P7.4 R3.2 | length 40.8
  Top Layer w0.5: P5.1 17.638,8.147 ; P1.1@17.78,4.767 17.78,8.005 17.638,8.147 ; P1.2@20.32,4.767 20.353,4.8 20.353,8.147 ; P1.4@25.4,4.767 25.4,7.236 24.489,8.147 20.353,8.147 ; 17.638,8.147 20.353,8.147
  Top Layer w0.762: P1.1@17.78,1.837 P1.1@17.78,4.767 ; P1.2@20.32,2.032 v1(20.32,3.302) P1.2@20.32,4.767 ; P1.4@25.4,2.032 v1(25.4,3.302) P1.4@25.4,4.962
  Bottom Layer w0.762: P7.1@17.78,1.837 v1(17.78,3.302) P7.1@17.78,4.767 ; P7.2@20.32,1.837 v1(20.32,3.302) P7.2@20.32,4.767 ; P7.4@25.4,1.837 v1(25.4,3.302) P7.4@25.4,4.767
VDD_nRF: C7.2 C8.2 P5.2 R3.1 U1.5 U1.6 | length 49.3
  Top Layer w0.254: U1.5 33.674,26.457 33.706,26.489 33.088,27.107 U1.6 ; 33.69,26.457 C8.2@34.682,26.457 ; C8.2@34.682,26.489 C8.2
  Top Layer w0.381: C8.2 34.873,26.33 v1(36.062,26.33)
  Top Layer w0.5: P5.2 v1(14.6,5.607) 15.635,6.642 R3.1
  Bottom Layer w0.5: v1(14.6,5.607) 17.024,8.031 33.487,8.031 36.062,10.605 v1(36.062,26.33)
pads on no net: Fid1.0 Fid2.0 Fid3.0 J1.0 J2.0 J3.0 P5.0 P11.1 P11.2 P11.3 P11.4 P11.5

## Polygon pours and split planes (outlines as drawn)
GND on Mid-Layer 1 "Mid_Layer_1-GND" (solid, remove dead copper, pour order 7): 0,0 0,54.864 60.96,54.864 60.96,0
GND on Mid-Layer 2 "Mid_Layer_2-GND" (solid, remove dead copper, pour order 10): 0,0 0,54.864 60.96,54.864 60.96,0
GND on Top Layer "Top_Layer-GND" (solid, remove dead copper, pour order 8): 0,0 0,54.864 60.96,54.864 60.96,0
GND on Bottom Layer "Bottom_Layer-GND" (solid, remove dead copper, pour order 6): 0,0 0,54.864 60.96,54.864 60.96,0

## Keep-outs
Keep-Out Layer:
  circle w0.152: c5.08,51.562 r2.4
  circle w0.152: c55.88,8.382 r2.4
  lines w0.254: 0,1.016 ccw(c1.016,1.016) 1.016,0 59.944,0 ccw(c59.944,1.016) 60.96,1.016 60.96,53.848 ccw(c59.944,53.848) 59.944,54.864 1.016,54.864 ccw(c1.016,53.848) 0,53.848 0,1.016

## Other copper
Top Layer:
  region net GND: 30.724,22.693 30.724,23.968 30.424,23.968 30.424,22.693
Mid-Layer 1:
  pour cut-out: 7.285,15.936 7.285,18.608 0.015,18.608 0.015,15.936
  pour cut-out: 53.672,18.608 53.672,15.936 60.942,15.936 60.942,18.608
  pour cut-out: 53.69,41.468 53.69,38.796 60.96,38.796 60.96,41.468
Mid-Layer 2:
  pour cut-out: 7.285,15.936 7.285,18.608 0.015,18.608 0.015,15.936
  pour cut-out: 53.672,18.608 53.672,15.936 60.942,15.936 60.942,18.608
  pour cut-out: 53.69,41.468 53.69,38.796 60.96,38.796 60.96,41.468

## Silkscreen, mask and mechanical layers (free items; w line width, h text height)
Top Overlay:
  drawing of 47 lines, arcs and shapes, not listed
  text "SS" at 26.979,47.125 h1.8 r90
  text "'.PCBNumber'" at 2.042,46.922 h2.03
  text "SCK" at 19.358,45.785 h1.8 r90
  text "'.PCBRevision'" at 2.042,45.398 h1.65
  text "GND" at 16.819,45.408 h1.8 r90
  text "MOSI" at 24.439,44.997 h1.8 r90
  text "MISO" at 21.899,44.939 h1.8 r90
  text "MODE" at 48.823,44.295 h1.8 r90
  text "TX_EN" at 41.18,44.191 h1.8 r90
  text "RX_EN" at 46.26,44.169 h1.8 r90
  text "ANT_SEL" at 43.729,42.476 h1.8 r90
  text "TRX" at 53.48,38.608 h2.03 r90
  text "nRF21540-EK" at 13.65,34.4 h7
  text "ANT2" at 53.48,15.367 h2.03 r90
  text "ANT1" at 8.78,15.285 h2.03 r90
  text "Current measurement" at 0.65,9.373 h1.6
  text "nRF21" at 1.2,6.332 h1.8
  text "VDD" at 18.343,6.138 h1.8 r90
  text "VDD" at 20.883,6.138 h1.8 r90
  text "VDD" at 25.963,6.138 h1.8 r90
  text "GND" at 31.043,6.139 h1.8 r90
  text "GND" at 33.583,6.139 h1.8 r90
  text "GND" at 1.653,1.287 h1.8
Bottom Overlay:
  drawing of 908 lines, arcs and shapes, not listed
  text "GND" at 16.819,48.676 h1.8 r90
  text "SCK" at 19.358,48.677 h1.8 r90
  text "MISO" at 21.899,48.677 h1.8 r90
  text "MOSI" at 24.439,48.677 h1.8 r90
  text "SS" at 26.979,48.677 h1.8 r90
  text "TX_EN" at 41.18,48.677 h1.8 r90
  text "ANT_SEL" at 43.729,48.677 h1.8 r90
  text "RX_EN" at 46.26,48.677 h1.8 r90
  text "MODE" at 48.823,48.677 h1.8 r90
  text "GND" at 31.043,9.407 h1.8 r90
  text "GND" at 33.583,9.407 h1.8 r90
  text "VDD" at 18.343,9.214 h1.8 r90
  text "VDD" at 20.883,9.214 h1.8 r90
  text "VDD" at 25.963,9.214 h1.8 r90
Board Outline:
  the board outline again, w0.152
Bottom Assembly:
  drawing of 40 lines, arcs and shapes, not listed
Top Impedance Info:
  lines w0.279: 3.485,17.272 26.726,17.272 ccw(c26.726,19.812) 29.266,19.812 29.266,22.181 ; 28.73,22.181 29.266,22.181 ; 28.73,23.557 29.255,23.557 29.266,23.546 29.266,22.919 ; 29.266,22.33 29.266,22.181 ; 29.266,24.116 29.835,24.685 ccw(c29.063,25.457) 30.155,25.457 ; 30.805,25.457 ccw(c31.896,25.457) 31.125,24.685 31.694,24.116 ; 31.694,22.33 31.694,22.181 ; 31.694,22.919 31.694,23.546 31.705,23.557 32.223,23.557 32.23,23.557 ; 32.223,22.181 31.694,22.181 ; 58.928,17.272 57.472,17.272 34.234,17.272 cw(c34.234,19.812) 31.694,19.812 31.694,22.181
  lines w0.32: 30.805,29.407 30.805,30.957 ; 30.805,31.527 30.805,37.592 cw(c33.345,37.592) 33.345,40.132 57,40.132
  text "50ohm single ended (coplanar) impedance" at 33.95,24.932 h1.02

## Dimensions
59.944,0 to 59.944,54.864 on Dimensions
0,1.016 to 60.96,1.016 on Dimensions